# Altium PCB PCB2.PcbDoc
Units mm, origin at the board's own origin, x right, y up, seen from the top; angles counter-clockwise.
Board outline 93.6 x 89.03 mm, 2 copper layers (Top Layer, Bottom Layer); 71 components, 59 nets, 244 pads, 140 vias.
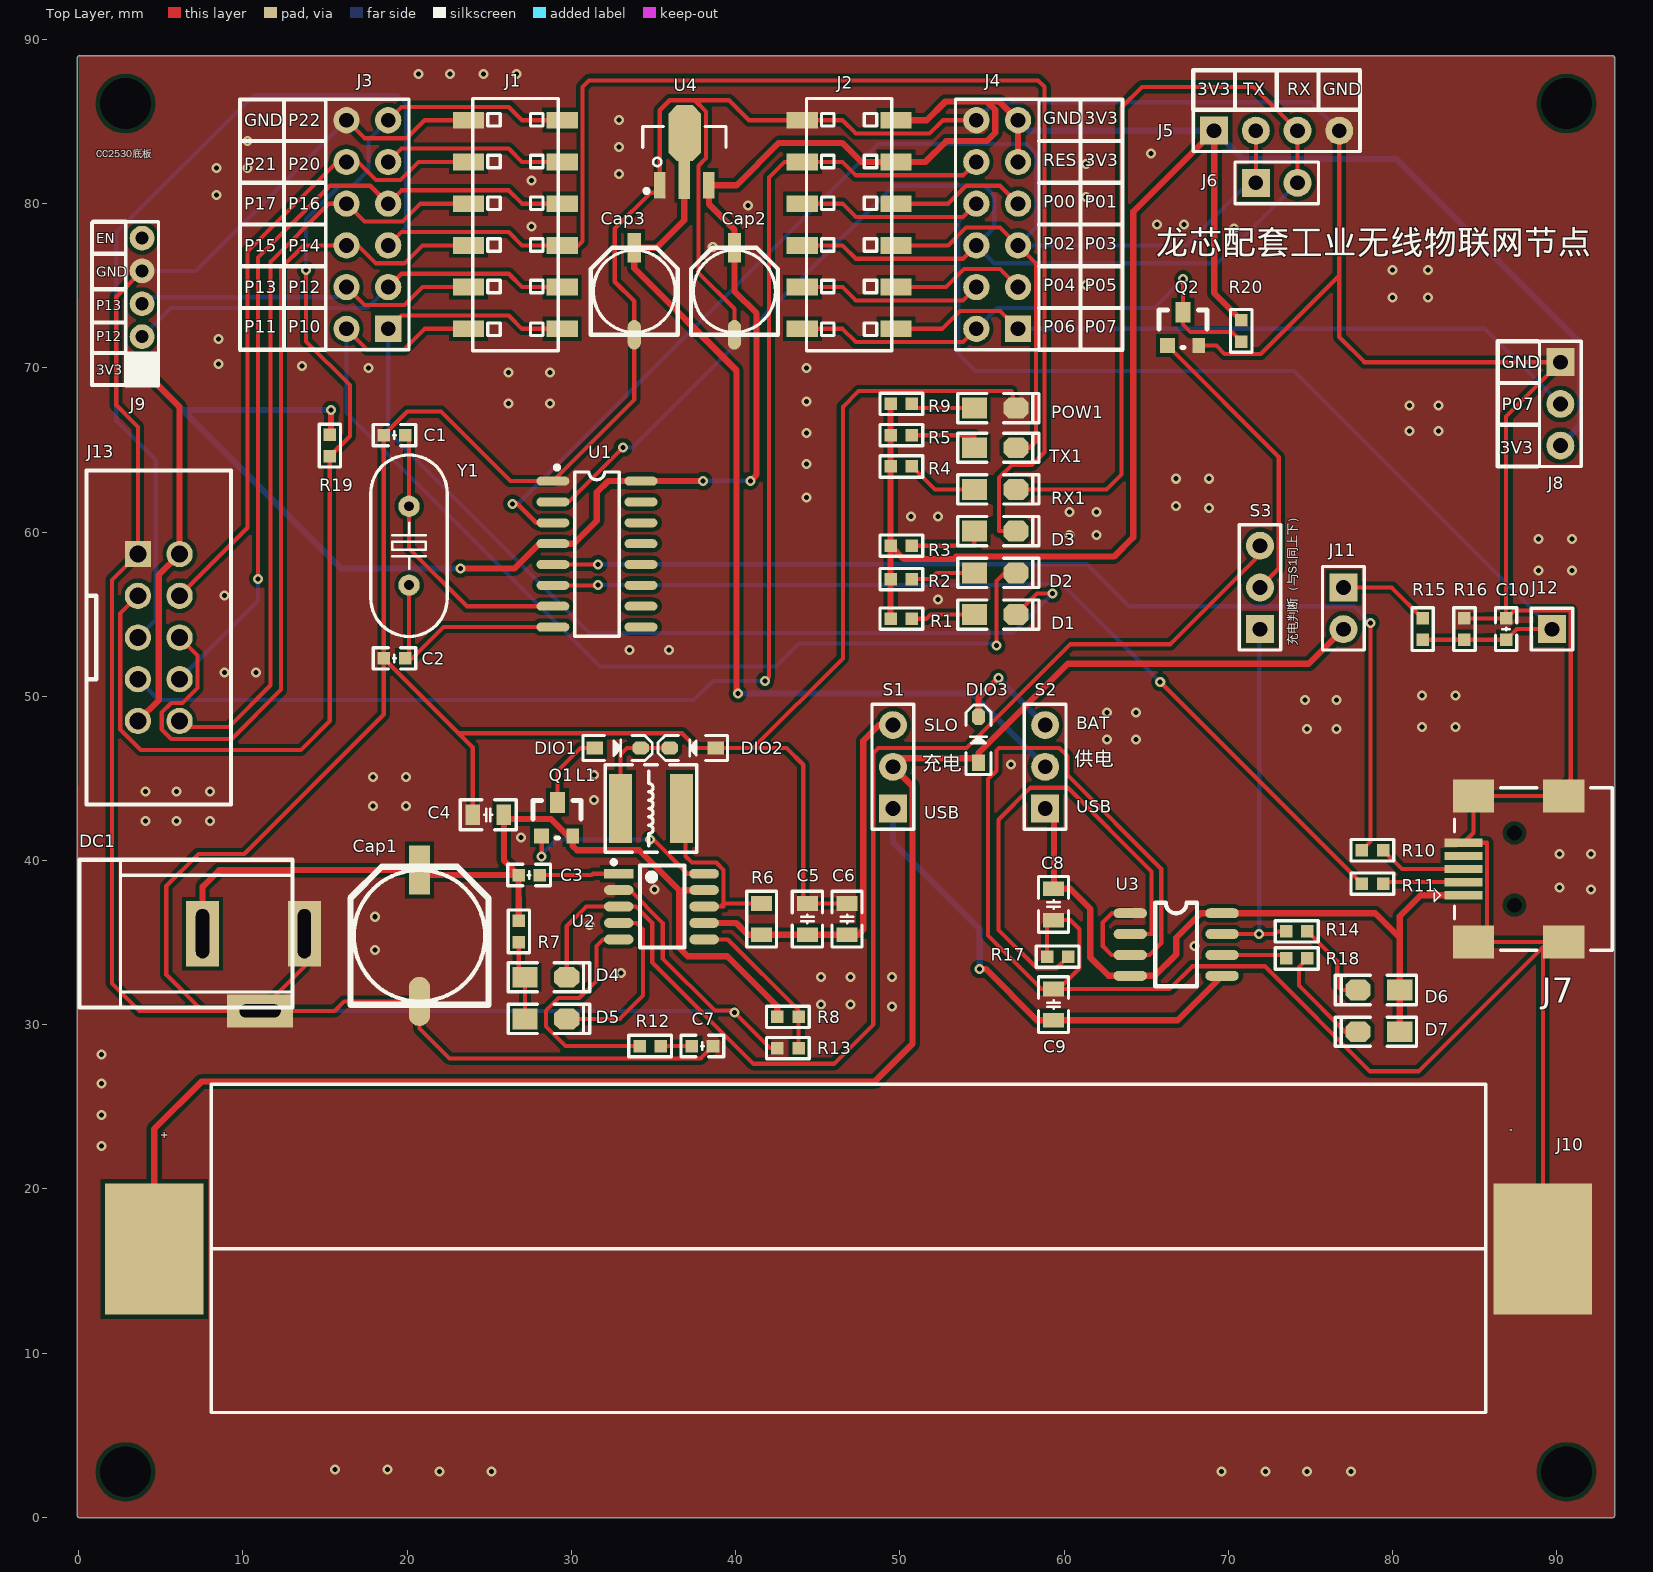
[diagram p0: Top Layer view]
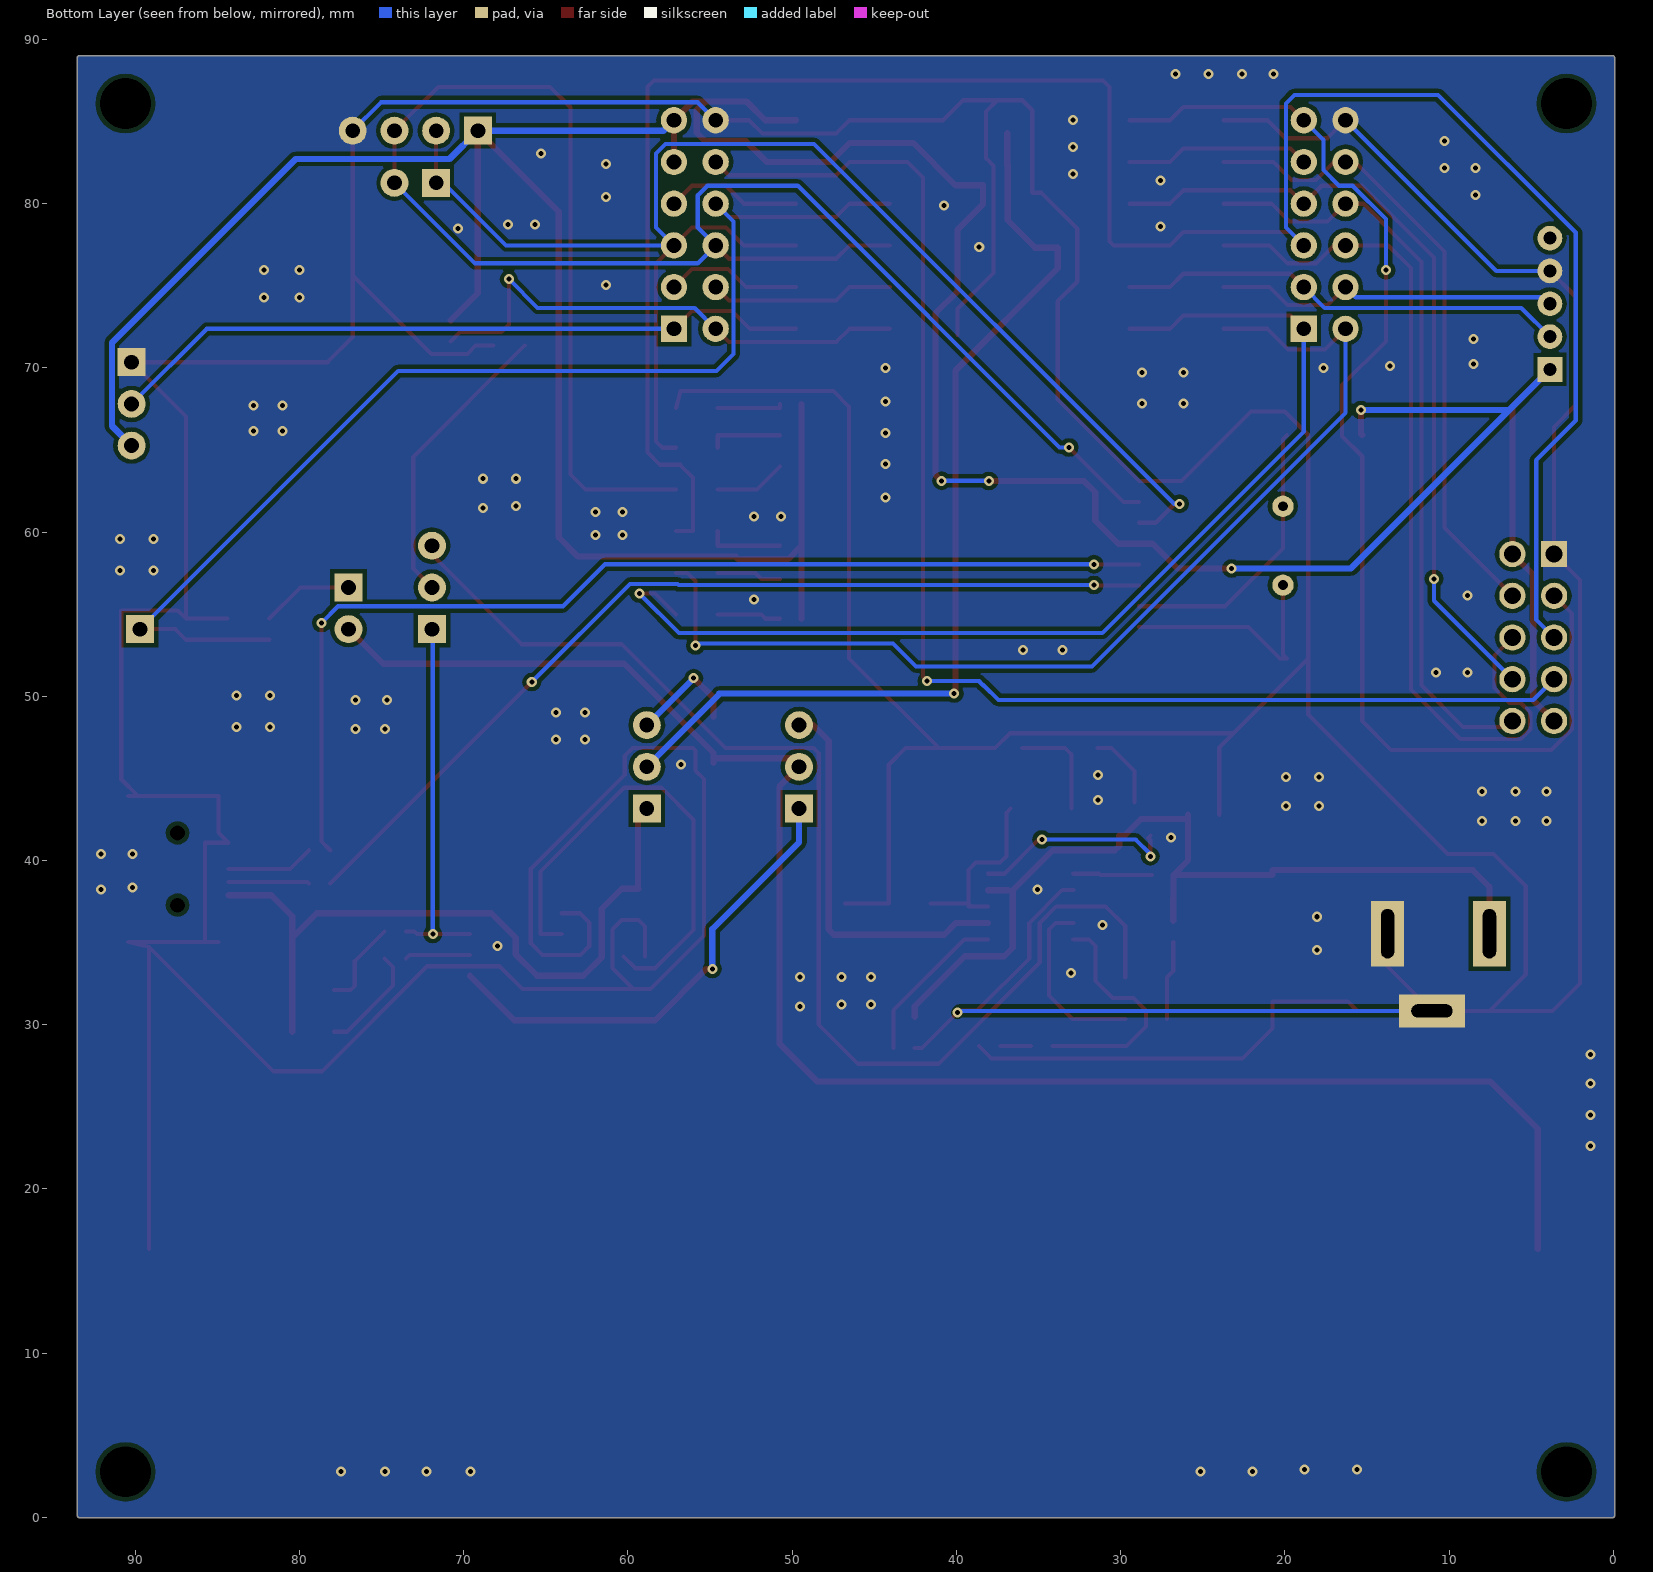
[diagram p1: Bottom Layer view, seen from below]

## Layer stack, top to bottom
Top Solder: solder mask 0.0102, Solder Resist, Dk 3.5
Top Layer: signal copper 0.0356
Dielectric 1: dielectric 0.32, FR-4, Dk 4.8
Bottom Layer: signal copper 0.0356
Bottom Solder: solder mask 0.0102, Solder Resist, Dk 3.5

## Board outline
-0.079,0.112 ccw(c0.049,0.112) 0.049,-0.015 93.394,-0.015 ccw(c93.394,0.112) 93.521,0.112 93.521,88.885 ccw(c93.394,88.885) 93.33,88.996 ccw(c93.267,88.885) 93.267,89.013 0.049,89.013 ccw(c0.049,88.885) -0.079,88.885

## Design rules (kind name [scope] priority, off if disabled: settings)
Clearance [All] p1: gap=0.152 except(0.254: Arc-Poly Track-Poly SMDPad-Poly THPad-Poly Via-Poly Fill-Poly Poly-Poly)
HoleSize [All] p1: absolutevalues=TRUE maxlimit=3.302 minlimit=0.025 maxpercent=80.000 minpercent=20.000
PolygonConnect [All] p1: connectstyle=Direct reliefconductorwidth=0.254 reliefentries=4 polygonreliefangle="90 Angle" airgapwidth=0.254
RoutingVias [All] p1: holewidth=0.305 width=0.61 viastyle="Through Hole" minholewidth=0.025 minwidth=0.305 maxholewidth=0.33 maxwidth=0.686
SilkToSilkClearance [All] p1: silktosilkclearance=0
SilkToSolderMaskClearance [IsPad] p1: minsilkscreentomaskgap=0 clearancetoexposedcopper=TRUE
SolderMaskExpansion [All] p1: expansion=0
Width Width_2 [(InNet('NetL1_2') AND InNet('NetDIO1_1') AND InNet('NetDIO1_2'))] p1: maxlimit=0.457 minlimit=0.254 preferedwidth=0.381
Width Width_1 [(InNet('BAT+') OR InNet('BAT4.2V') OR InNet('ME4.2V') OR InNet('SOLAR4.2V') OR InNet('SOLAR6V') OR InNet('USB4.2V') OR InNet('VBUS') OR InNet('VDD3V3'))] p2: maxlimit=0.457 minlimit=0.254 preferedwidth=0.381
Width [All] p3: maxlimit=0.254 minlimit=0.254 preferedwidth=0.254
27 further rules are at their usual default settings.

## Components (designator, comment, footprint, x,y, rotation, side; value= is the part's Value field where it differs from the comment)
C1 "22pF" "C 0603_L" 19.226,65.898 r180 top
C2 "22pF" "C 0603_L" 19.226,52.309 r180 top
C3 "0.1uF" "C 0603_L" 27.432,39.116 r0 top
C4 "10uF" "C 0805_L" 24.941,42.784 r180 top
C5 "10uF" "C 0805_L" 44.372,36.434 r90 top
C6 "10uF" "C 0805_L" 46.785,36.434 r90 top
C7 "220nF" "C 0603_L" 37.973,28.702 r0 top
C8 "10uF" "C 0805_L" 59.358,37.323 r90 top
C9 "10uF" "C 0805_L" 59.358,31.227 r90 top
C10 "0.1uF" "C 0603_L" 86.917,54.087 r270 top
Cap1 "220uF" "CM E(8*10.2)" 20.75,35.418 r90 top
Cap2 "10uF" "CM C(5*5.4)" 39.927,74.661 r90 top
Cap3 "10uF" "CM C(5*5.4)" 33.831,74.661 r90 top
D1 "" "LED 0805W" 55.802,54.976 r0 top
D2 "" "LED 0805W" 55.802,57.516 r0 top
D3 "" "LED 0805W" 55.802,60.056 r0 top
D4 "" "LED 0805R" 28.448,32.893 r0 top
D5 "" "LED 0805G" 28.448,30.353 r0 top
D6 "" "LED 0805R" 79.17,32.116 r180 top
D7 "" "LED 0805G" 79.17,29.576 r180 top
DC1 "DC" DC-005 7.542,35.545 r180 top
DIO1 "DIODE" SOD-323 32.815,46.848 r0 top
DIO2 "DIODE" SOD-323 37.387,46.848 r180 top
DIO3 "DIODE" SOD-323 54.786,47.356 r90 top
J1 "12排2.54插母" HDR2.54-M-LS-2x6P 26.592,78.725 r90 top locked
J2 "12排2.54插母" HDR2.54-M-LS-2x6P 46.912,78.725 r90 top locked
J3 "12排2.54插针" HDR2.54-LI-2x6P 17.575,78.725 r90 top locked
J4 "12排2.54插针" HDR2.54-LI-2x6P 55.929,78.725 r90 top
J5 "TXRX" HDR2.54-M-LI-4P 72.947,84.44 r0 top
J6 "TXRX" HDR2.54-LI-2P 72.947,81.265 r0 top
J7 "MINI-USB" USB-MINI-A 87.425,39.482 r90 top
J8 "" HDR2.54-M-LI-3P 90.219,67.803 r270 top
J9 "B_LUX30" HDR2.0-M-LI-5P 3.859,73.899 r90 top
J10 "battery" 单节贴片锂电池座 46.404,16.368 r0 top
J11 "ADC_EN" HDR2.54-LI-2P 77.011,55.357 r270 top
J12 "ADC" HDR2.54-LI-1P 89.711,54.087 r0 top
J13 "debug" DC-2.54-L-Z-10P 4.875,53.579 r270 top locked
L1 "10uH" NR5020 34.847,43.165 r0 top
POW1 "" "LED 0805R" 55.802,67.549 r0 top
Q1 "CJ3407" SOT-23 26.973,44.562 r0 top
Q2 "2N7002(NMOS)" SOT-23 65.073,74.407 r0 top
R1 "4.7K" "R 0603-HP_L" 50.087,54.722 r0 top
R2 "4.7K" "R 0603-HP_L" 50.087,57.135 r0 top
R3 "4.7K" "R 0603-HP_L" 50.087,59.167 r0 top
R4 "4.7K" "R 0603-HP_L" 50.087,63.993 r0 top
R5 "4.7K" "R 0603-HP_L" 50.087,65.898 r0 top
R6 "0.25R" "R 0805-HP_L" 41.578,36.434 r90 top
R7 "4.7K" "R 0603-HP_L" 26.797,35.687 r270 top
R8 "75K" "R 0603-HP_L" 43.18,30.48 r0 top
R9 "4.7K" "R 0603-HP_L" 50.087,67.803 r0 top
R10 "27R" "R 0603-HP_L" 78.774,40.625 r0 top
R11 "27R" "R 0603-HP_L" 78.774,38.593 r0 top
R12 "120R" "R 0603-HP_L" 34.798,28.702 r0 top
R13 "10K" "R 0603-HP_L" 43.18,28.575 r180 top
R14 "1K" "R 0603-HP_L" 74.168,35.687 r0 top
R15 "168K" "R 0603-HP_L" 81.837,54.087 r90 top
R16 "56K" "R 0603-HP_L" 84.377,54.087 r270 top
R17 "3.9K" "R 0603-HP_L" 59.612,34.148 r0 top
R18 "1K" "R 0603-HP_L" 74.168,34.036 r0 top
R19 "10K" "R 0603-HP_L" 15.289,65.263 r90 top
R20 "168K" "R 0603-HP_L" 70.788,72.248 r270 top
RX1 "" "LED 0805R" 55.802,62.596 r0 top
S1 "SW-SPDT" HDR2.54-LI-3P 49.579,45.705 r90 top
S2 "SW-SPDT" HDR2.54-LI-3P 58.85,45.705 r90 top
S3 "SW-SPDT" HDR2.54-LI-3P 71.931,56.627 r90 top
TX1 "" "LED 0805R" 55.802,65.136 r0 top
U1 "CH340G" SOP16 31.545,58.659 r0 top
U2 "CN3791" SSOP-10_150mil 35.482,37.196 r0 top
U3 "TP4056" SOP8 64.057,36.815 r0 top
U4 "ME6209" SOT89_M 36.879,83.17 r0 top
Y1 "12M" "OSC HC-49S" 20.115,59.167 r270 top

## Footprints (in the part's own frame and the unit in brackets; to place one, negate y for a bottom-side part, rotate by r counter-clockwise, add the part's x,y. Pads: shape width x height; smd on the part's side, far side on the other; paste and mask are expansions set on the pad)
"C 0603_L" [mil] "无极性贴片电容                                       淘宝ID:黄晶宝石"
  rect 30x30 smd: 1(-25.59,0) 2(25.59,0)
  silkscreen extent -51,-26 51,26, body extent -31,-16 31,16, height 32
"C 0805_L" [mil] "无极性贴片电容                                        淘宝ID:黄晶宝石"
  rect 35x50 smd: 1(-37.4,0) 2(37.4,0)
  silkscreen extent -67,-36 67,36, body extent -39,-24 39,24, height 20
"CM C(5*5.4)" [mm] "贴片电解电容，直径5mm，高5.4mm            淘宝ID:黄晶宝石"
  rect 1.8x0.8 smd: 1(2.65,0)
  oval 1.8x0.8 smd: 2(-2.65,0)
  silkscreen extent -2.65,-2.65 2.65,2.65, body extent -2.95,-2.65 2.95,2.65, height 5.4
"CM E(8*10.2)" [mm] "贴片电解电容，直径8mm，高10.2mm        淘宝ID:黄晶宝石"
  rect 3x1.3 smd: 1(4,0)
  oval 3x1.3 smd: 2(-4,0)
  silkscreen extent -4.2,-4.2 4.2,4.2, body extent -4.5,-4.15 4.5,4.15, height 10.2
DC-2.54-L-Z-10P [mm] "立式直插简牛插座，间距2.54 淘宝ID:黄晶宝石   店铺网址:https://shop463601444.taobao.com"
  rect 1.6x1.6 hole 1.02: 1(-5.08,-1.27)
  round 1.6 hole 1.02: 2(-5.08,1.27) 3(-2.54,-1.27) 4(-2.54,1.27) 5(0,-1.27) 6(0,1.27) 7(2.54,-1.27) 8(2.54,1.27) 9(5.08,-1.27) 10(5.08,1.27)
  silkscreen extent -10.17,-4.4 10.17,4.4, body extent -10.18,-4.4 10.17,4.7, height 8.8
DC-005 [mm] "5.5*2.1mm，DC30V,2.5A      淘宝ID:黄晶宝石"
  rect 2x4 hole 0.8 slot 3 at 90 deg: 1(-6.2,0) 2(0,0)
  rect 4x2 hole 0.8 slot 2.5 at 0 deg: 3(-3.5,4.7)
  silkscreen extent -5.48,-4.5 7.5,4.5, body extent -6.55,-4.5 7.5,4.8, height 11.2
HDR2.0-M-LI-5P [mm] "直插排母，脚距：2.0mm  封装库来自淘宝卖家 ID：黄晶宝石"
  rect 1.5x1.5 hole 0.8: 1(-4,0)
  round 1.5 hole 0.8: 3(-2,0) 5(0,0) 7(2,0) 9(4,0)
  silkscreen extent -5,-1 5,1, body extent -5,-1 5,1, height 5.5
HDR2.54-LI-1P [mm] "封装库来自淘宝卖家 ID：黄晶宝石"
  rect 1.7x1.7 hole 0.9: 1(0,0)
  silkscreen extent -1.27,-1.27 1.27,1.27, body extent -1.27,-1.27 1.27,1.27, height 8.5
HDR2.54-LI-2P [mm] "封装库来自淘宝卖家 ID：黄晶宝石"
  rect 1.7x1.7 hole 0.9: 1(-1.27,0)
  round 1.7 hole 0.9: 2(1.27,0)
  silkscreen extent -2.54,-1.27 2.54,1.27, body extent -2.54,-1.27 2.54,1.27, height 8.5
HDR2.54-LI-2x6P [mm] "双排排针，6x2脚 淘宝ID:黄晶宝石   店铺网址:https://shop463601444.taobao.com"
  rect 1.6x1.6 hole 0.9: 1(-6.35,-1.27)
  round 1.6 hole 0.9: 2(-6.35,1.27) 3(-3.81,-1.27) 4(-3.81,1.27) 5(-1.27,-1.27) 6(-1.27,1.27) 7(1.27,-1.27) 8(1.27,1.27) 9(3.81,-1.27) 10(3.81,1.27) 11(6.35,-1.27) 12(6.35,1.27)
  silkscreen extent -7.62,-2.54 7.62,2.54, body extent -7.62,-2.54 7.62,2.54, height 8.5
HDR2.54-LI-3P [mm] "排针，3脚"
  rect 1.7x1.7 hole 0.9: 1(-2.54,0)
  round 1.7 hole 0.9: 2(0,0) 3(2.54,0)
  silkscreen extent -3.81,-1.27 3.81,1.27, body extent -3.81,-1.27 3.81,1.27, height 8.5
HDR2.54-M-LI-3P [mm] "排母，3脚   淘宝ID:黄晶宝石   店铺网址:https://shop463601444.taobao.com"
  rect 1.7x1.7 hole 0.9: 1(-2.54,0)
  round 1.7 hole 0.9: 2(0,0) 3(2.54,0)
  silkscreen extent -3.81,-1.27 3.81,1.27, body extent -3.81,-1.27 3.81,1.27, height 8.5
HDR2.54-M-LI-4P [mm] "排母，4脚  淘宝ID:黄晶宝石   店铺网址:https://shop463601444.taobao.com"
  rect 1.7x1.7 hole 0.9: 1(-3.81,0)
  round 1.7 hole 0.9: 2(-1.27,0) 3(1.27,0) 4(3.81,0)
  silkscreen extent -5.08,-1.27 5.08,1.27, body extent -5.08,-1.27 5.08,1.27, height 8.5
HDR2.54-M-LS-2x6P [mm] "脚距：2.54mm，贴片双排母"
  rect 1.02x1.9 smd: 1(-6.35,2.85) 2(-6.35,-2.85) 3(-3.81,2.85) 4(-3.81,-2.85) 5(-1.27,2.85) 6(-1.27,-2.85) 7(1.27,2.85) 8(1.27,-2.85) 9(3.81,2.85) 10(3.81,-2.85) 11(6.35,2.85) 12(6.35,-2.85)
  silkscreen extent -7.69,-2.6 7.68,2.6, body extent -7.65,-3.2 7.65,3.2, height 5.15
"LED 0805G" [mil] "绿色0805LED                              淘宝ID:黄晶宝石"
  rect 60x50 smd: 1(-50,0)
  oct 60x50 smd: 2(50,0)
  silkscreen extent -90,-35 105,35, body extent -39,-25 39,25, height 32
"LED 0805R" [mil] "红色0805LED                                       淘宝ID:黄晶宝石"
  rect 60x50 smd: 1(-50,0)
  oct 60x50 smd: 2(50,0)
  silkscreen extent -90,-35 105,35, body extent -39,-25 39,25, height 32
"LED 0805W" [mil] "白色0805LED"
  rect 60x50 smd: 1(-50,0)
  oct 60x50 smd: 2(50,0)
  silkscreen extent -90,-35 105,35, body extent -39,-25 39,25, height 32
NR5020 [mm] "5.0mm*5.0mm*2.0mm(长*宽*高）"
  rect 1.4x4.2 smd: 1(-1.85,0) 2(1.85,0)
  silkscreen extent -2.79,-2.67 2.79,2.67, body extent -2.5,-2.5 2.5,2.5, height 2.1
"OSC HC-49S" [mm] "封装库来自淘宝卖家 ID：黄晶宝石"
  round 1.3 hole 0.6: 1(-2.4,0) 2(2.4,0)
  silkscreen extent -5.52,-2.32 5.52,2.33, body extent -5.52,-2.32 5.53,2.33, height 4.13
"R 0603-HP_L" [mil] "1/10W高精度贴片电阻       淘宝ID:黄晶宝石"
  rect 30x30 smd: 1(-25.59,0) 2(25.59,0)
  silkscreen extent -51,-26 51,26, body extent -31,-16 32,16, height 16
"R 0805-HP_L" [mm] "1/8W高精度贴片电阻                        淘宝ID:黄晶宝石"
  rect 0.889x1.27 smd: 1(-0.95,0) 2(0.95,0)
  silkscreen extent -1.7,-0.91 1.7,0.9, body extent -1,-0.62 1,0.63, height 0.5
SOD-323 [mm] "1.8x1.3X0.9mm（长宽高，不包括引脚）"
  rect 1x0.8 smd: 1(-1.4,0)
  oct 1x0.8 smd: 2(1.4,0)
  silkscreen extent -2.11,-0.76 2.11,0.76, body extent -1.34,-0.63 1.31,0.67, height 1
SOP8 [mil] "封装库来自淘宝卖家 ID：黄晶宝石"
  oval 80x24 smd: 1(-1,-1) 2(-1,-51) 3(-1,-101) 4(-1,-151) 5(219,-151) 6(219,-101) 7(219,-51) 8(219,-1)
  silkscreen extent 59,-176 159,24, body extent -4,-174 234,24, height 63
SOP16 [mm] "封装库来自淘宝卖家 ID：黄晶宝石"
  oval 2x0.55 smd: 1(-2.667,4.445) 2(-2.667,3.175) 3(-2.667,1.905) 4(-2.667,0.635) 5(-2.667,-0.635) 6(-2.667,-1.905) 7(-2.667,-3.175) 8(-2.667,-4.445) 9(2.692,-4.445) 10(2.692,-3.175) 11(2.692,-1.905) 12(2.692,-0.635) 13(2.692,0.635) 14(2.692,1.905) 15(2.692,3.175) 16(2.692,4.445)
  silkscreen extent -2.55,-5 1.37,5.39, body extent -2.92,-4.99 2.98,4.99, height 1.45
SOT89_M [mm] "4.6x4.3x1.6mm(长宽高) 封装库来自淘宝卖家 ID：黄晶宝石"
  rect 0.7x1.6 smd: 1(-1.5,-2.054) 3(1.5,-2.054)
  rect 0.7x2.4 smd: 2(0,-1.676)
  oct 2x3.4 smd: 2(0.025,1.118)
  silkscreen extent -2.54,-2.52 2.54,1.52, body extent -2.3,-2.4 2.3,1.9, height 1.6
SOT-23 [mil] "封装库来自淘宝卖家 ID：黄晶宝石"
  rect 36x36 smd: 1(47.76,-120.28)
  rect 30x36 smd: 2(122.76,-120.28)
  rect 36x50 smd: 3(85.76,-40.28)
  silkscreen extent 28,-125 143,-35
SSOP-10_150mil [mm]
  rect 1.8x0.6 smd: 1(-2.6,2)
  oval 1.8x0.6 smd: 2(-2.6,1) 3(-2.6,0) 4(-2.6,-1) 5(-2.6,-2) 6(2.6,-2) 7(2.6,-1) 8(2.6,0) 9(2.6,1) 10(2.6,2)
  silkscreen extent -3.02,-2.5 1.4,2.82, body extent -3,-2.45 3,2.45, height 1.55
USB-MINI-A [mm] "MINI型USB，7.9*7.5*4.1mm  淘宝ID:黄晶宝石   店铺网址:https://shop463601444.taobao.com"
  rect 0.5x2.3 smd: 1(-1.6,3.108) 2(-0.8,3.108) 3(0,3.108) 4(0.8,3.108) 5(1.6,3.108)
  rect 2x2.5 smd: 5(-4.45,-3) 5(-4.45,2.5) 5(4.45,-3) 5(4.45,2.5)
  round 0.6 hole 0.9 unplated: MH1(2.2,0) MH2(-2.2,0)
  silkscreen extent -4.95,-5.95 4.95,4.89, body extent -4.75,-6 4.75,3.7, height 3.95
单节贴片锂电池座 [mm] "单节18650贴片锂电池座"
  rect 6x8 smd: 1(-41.808,-0.025) 2(42.748,-0.025)
  silkscreen extent -38.33,-9.98 39.27,10.01, body extent -43.03,-10.44 42.98,10.21, height 18.25

## Part data
C1 C2 C3 C7 C10: library part CAP, "Capacitor"
C4 C5 C6 C8 C9: library part Cap, "无极性电容"
Cap1 Cap2 Cap3: library part "CAPACITOR POL", "Capacitor"
D1 D2 D3 D4 D5 D6 D7 POW1 RX1 TX1: library part LED
DC1: library part PWR2.5, "Low Voltage Power Supply Connector"
DIO1 DIO2 DIO3: "1N5817"
J1 J2 J3 J4: library part CON12
J5 J6 J7 J9 J10 J11 J12 U2 U4: library part Component_1
J8: library part CON3, "Connector"
J13: library part CON10, "Connector"
L1: library part L, "NR5020"
Q1: library part AOD413A
Q2: library part AOD413A, "2N7002"
R1 R2 R3 R4 R5 R9 R19: library part R
R6 R7 R8 R12 R13 R14 R15 R16 R17 R18 R20: library part Res1, "贴片电阻"
R10 R11: library part RES2
S1 S2 S3: "开关"
U1: "CH340"
U3: "锂电池充电管理"
Y1: library part CRYSTAL, "32K"

## Free pads (board coordinates)
  round 1.524 hole 3.1: 1(2.843,2.779) 2(90.6,2.779) 3(2.843,86.091) 4(90.6,86.091)

## Via types
v1: diameter 0.61, hole 0.305, Top Layer to Bottom Layer, 140 vias

## Nets (pads, with @x,y where several pads share a name; then routed paths per layer and width w, separated by ;. In a path a pad name is that pad's centre, name@x,y a point inside that pad or via, vN(x,y) a via of type N, cw(c..) or ccw(c..) an arc to the next point about the centre after c; other vN are vias at no path point)
BAT4.2V: DIO3.2 S2.3 | length 6.9
  Top Layer w0.381: DIO3.2 54.786,49.896 v1(55.992,51.103)
  Bottom Layer w0.381: v1(55.992,51.103) S2.3
BAT+: DIO3.1 J10.1 J11.2 S1.2 | length 104.6
  Top Layer w0.381: J10.1 4.595,23.658 7.48,26.543 48.476,26.543 50.773,28.84 50.773,44.512 S1.2 50.101,46.228 54.786,46.228 DIO3.1 54.786,46.531 60.234,51.979 74.903,51.979 J11.2
CHAR1: D4.2 S3.3 U2.3 | length 74.3
  Top Layer w0.254: D4.2 29.718,36.005 30.91,37.196 U2.3 33.924,37.196 34.925,36.195 34.925,33.782 41.086,27.621 45.997,27.621 48.385,30.008 48.385,46.544 48.69,46.848 54.068,46.848 60.393,53.173 66.47,53.173 71.931,58.634 S3.3
CHAR2: R14.1 S3.1 U3.7 | length 22.6
  Top Layer w0.254: U3.7 v1(71.882,35.52) 72.845,35.52 73.012,35.687 R14.1
  Bottom Layer w0.254: v1(71.882,35.52) 71.882,54.039 S3.1
D+: R10.1 U1.5 | length 65.3
  Top Layer w0.254: U1.5 31.608,58.024 v1(31.623,58.039) ; R10.1 78.662,41.163 v1(78.662,54.468)
  Bottom Layer w0.254: v1(31.623,58.039) 61.401,58.039 63.955,55.484 77.646,55.484 v1(78.662,54.468)
D-: R11.1 U1.6 | length 56.8
  Top Layer w0.254: U1.6 29.894,56.754 31.608,56.754 v1(31.623,56.769) ; v1(65.856,50.862) R11.1
  Bottom Layer w0.254: v1(31.623,56.769) 56.9,56.769 56.976,56.845 59.872,56.845 v1(65.856,50.862)
GND: C1.2 C2.2 C4.2 C5.2 C6.2 C7.2 C8.1 C9.2 C10.1 Cap1.2 Cap2.2 Cap3.2 DC1.1 DC1.3 DIO2.1 J1.11 J2.11 J3.12 J4.12 J5.4 J7.5 J8.1 J9.7 J10.2 J13.1 POW1.2 Q2.2 R13.2 R16.1 R17.1 U1.1 U2.2 U3.1 U3.3 U4.1 | length 582.6
  Top Layer w0.254: J9.7 2.286,74.327 2.286,67.725 3.605,66.406 J13.1 2.032,57.087 2.032,32.52 3.706,30.845 7.542,30.845 ; DC1.1 13.742,33.545 DC1.3 ; J3.12 17.397,83.983 19.975,83.983 21.067,85.075 J1.11 ; C4.2 23.991,46.895 23.133,47.752 ; U2.2 33.559,38.196 35.56,36.195 35.56,34.036 38.735,30.861 39.806,30.861 42.092,28.575 R13.2 ; 37.514,86.295 38.2,85.609 38.2,82.764 37.742,82.307 37.742,75.779 39.927,73.595 Cap2.2 ; C7.2 37.872,27.951 22.579,27.951 20.75,29.78 Cap1.2 16.167,31.418 15.594,30.845 DC1.3 ; C6.2 C5.2 44.118,37.384 44.118,45.832 43.102,46.848 41.07,46.848 ; J4.12 52.627,85.075 51.814,84.263 47.318,84.263 46.505,85.075 J2.11 40.816,85.075 39.597,86.295 35.99,86.295 35.379,85.684 U4.1 35.379,80.656 34.821,80.656 32.639,78.473 32.639,75.244 33.831,74.052 Cap3.2 33.831,68.072 33.845,68.072 U1.1 26.287,63.104 22.06,67.331 20.009,67.331 C1.2 C2.2 ; POW1.2 56.785,68.58 47.485,68.58 46.531,67.626 46.531,52.309 41.07,46.848 ; R17.1 58.962,35.977 C8.1 60.374,36.373 60.933,35.815 60.933,33.437 59.673,32.177 C9.2 ; U3.1 62.914,36.79 62.355,36.231 62.355,34.783 62.888,34.25 U3.3 65.2,34.25 65.913,34.963 65.913,39.497 60.198,45.212 60.198,46.355 59.705,46.848 56.03,46.848 55.88,46.698 55.88,45.466 55.372,44.958 55.372,35.433 58.628,32.177 C9.2 ; Q2.2 69.278,71.352 69.779,70.851 71.974,70.851 76.757,75.634 ; J5.4 76.757,75.634 ; R16.1 85.621,54.737 C10.1 ; J7.5@84.925,35.033 J7.5@85.748,35.033 ; J10.2 89.152,34.733 ; J7.5@90.425,43.933 J7.5@89.838,43.933 ; 7.542,30.845 DC1.3 ; 7.542,30.845 5.334,33.053 5.334,38.443 7.288,40.397 10.082,40.397 18.576,48.891 C2.2 ; C2.2 23.133,47.752 ; 23.133,47.752 36.737,47.752 37.641,46.848 DIO2.1 41.07,46.848 ; C9.2 66.429,32.177 67.816,33.564 72.227,33.564 78.628,27.163 81.583,27.163 89.152,34.733 ; 76.757,75.634 76.757,71.867 78.281,70.343 J8.1 86.917,67.041 C10.1 ; J7.5@85.748,35.033 90.425,35.033 89.152,34.733 ; J7.5@85.748,35.033 85.748,41.082 84.317,41.082 84.925,41.691 84.925,43.933 J7.5@89.838,43.933 ; C10.1 87.41,55.23 90.854,55.23 90.854,44.949 J7.5@89.838,43.933
  Bottom Layer w0.254: J9.7 7.129,75.899 J3.12 ; DC1.3 v1@39.806,30.845 ; v1@39.822,30.845 v1(39.933,30.734) ; J4.12 55.751,86.168 75.03,86.168 J5.4
  other v1: 21.971,2.794 25.146,2.794 69.596,2.794 72.263,2.794 74.803,2.794 77.47,2.794 15.621,2.921 18.796,2.921 1.397,22.606 1.397,24.511 1.397,26.416 1.397,28.194 49.53,31.115 45.212,31.242 46.99,31.242 45.212,32.893 46.99,32.893 49.53,32.893 33.02,33.147 18.034,34.544 67.945,34.798 31.115,36.068 18.034,36.576 35.052,38.227 92.075,38.227 90.17,38.354 90.17,40.386 92.075,40.386 26.924,41.402 4.064,42.418 5.969,42.418 8.001,42.418 17.907,43.307 19.939,43.307 31.369,43.688 4.064,44.196 5.969,44.196 8.001,44.196 17.907,45.085 19.939,45.085 31.369,45.212 56.769,45.847 62.611,47.371 64.389,47.371 74.803,48.006 76.581,48.006 81.788,48.133 83.82,48.133 62.611,49.022 64.389,49.022 74.676,49.784 76.581,49.784 81.788,50.038 83.82,50.038 8.89,51.435 10.795,51.435 33.528,52.832 35.941,52.832 52.324,55.88 8.89,56.134 88.9,57.658 90.932,57.658 88.9,59.563 90.932,59.563 60.325,59.817 61.976,59.817 50.673,60.96 52.324,60.96 60.325,61.214 61.976,61.214 68.834,61.468 66.802,61.595 44.323,62.103 66.802,63.246 68.834,63.246 44.323,64.135 44.323,66.04 81.026,66.167 82.804,66.167 81.026,67.691 82.804,67.691 26.162,67.818 28.702,67.818 44.323,67.945 26.162,69.723 28.702,69.723 17.653,69.977 44.323,69.977 13.589,70.104 8.509,70.231 8.509,71.755 80.01,74.295 82.169,74.295 61.341,75.057 80.01,75.946 82.169,75.946 38.608,77.343 70.358,78.486 27.559,78.613 65.659,78.74 67.31,78.74 40.767,79.883 61.341,80.391 8.382,80.518 27.559,81.407 32.893,81.788 8.382,82.169 10.287,82.169 61.341,82.423 65.278,83.058 32.893,83.439 10.287,83.82 32.893,85.09 20.701,87.884 22.606,87.884 24.638,87.884 26.67,87.884
ME4.2V: Cap3.1 S2.2 U4.2 | length 59.4
  Top Layer w0.381: U4.2@36.904,84.288 36.904,82.358 36.879,82.332 36.879,81.494 36.879,78.979 35.211,77.311 Cap3.1 33.831,76.058 40.054,69.835 40.054,50.243 v1(40.132,50.165)
  Bottom Layer w0.381: v1(40.132,50.165) 54.437,50.165 54.437,50.119 S2.2
NetC1_1: C1.1 U1.7 Y1.1 | length 17.2
  Top Layer w0.254: C1.1 20.115,65.66 Y1.1 20.115,59.006 23.637,55.484 U1.7
NetC2_1: C2.1 U1.8 Y1.2 | length 14.3
  Top Layer w0.254: Y1.2 20.115,52.548 C2.1 20.306,52.31 22.21,54.214 U1.8
NetC3_2: C3.2 U2.1 | length 4.8
  Top Layer w0.254: C3.2 31.236,39.116 31.316,39.196 U2.1
NetC7_1: C7.1 R12.2 | length 1.9
  Top Layer w0.254: R12.2 36.574,28.702 C7.1
NetD1_1: D1.1 R1.2 | length 3.9
  Top Layer w0.254: R1.2 51.611,54.722 51.865,54.976 D1.1
NetD2_1: D2.1 R2.2 | length 4
  Top Layer w0.254: R2.2 51.865,57.135 52.246,57.516 D2.1
NetD3_1: D3.1 R3.2 | length 4.7
  Top Layer w0.254: R3.2 54.532,59.167 D3.1
NetD4_1: D4.1 D5.1 R7.2 | length 4.8
  Top Layer w0.254: R7.2 26.797,34.352 26.797,33.274 D4.1 27.176,32.893 27.176,30.353 D5.1
NetD5_2: D5.2 U2.4 | length 10.9
  Top Layer w0.254: D5.2 32.942,30.353 34.364,31.775 34.364,35.799 33.967,36.196 U2.4
NetD6_2: D6.2 R14.2 | length 5.4
  Top Layer w0.254: R14.2 76.63,33.875 76.63,32.37 76.884,32.116 D6.2
NetD7_2: D7.2 R18.2 | length 6.6
  Top Layer w0.254: R18.2 74.295,33.513 74.295,32.385 77.104,29.576 D7.2
NetDIO1_1: DIO1.1 Q1.3 | length 4.8
  Top Layer w0.254: Q1.3 29.151,45.451 30.548,46.848 DIO1.1
NetDIO1_2: DIO1.2 DIO2.2 L1.1 | length 6.4
  Top Layer w0.254: L1.1 32.997,46.467 33.378,46.848 DIO1.2 DIO2.2
NetJ7_2: J7.2 R11.2 | length 4.9
  Top Layer w0.254: R11.2 79.513,38.683 J7.2
NetJ7_3: J7.3 R10.2 | length 5.4
  Top Layer w0.254: R10.2 80.567,39.482 J7.3
NetJ11_1: J11.1 R15.2 | length 5.6
  Top Layer w0.254: J11.1 79.947,56.627 R15.2
NetL1_2: L1.2 R6.2 U2.8 | length 11.7
  Top Layer w0.254: L1.2 36.957,42.905 36.957,40.259 37.338,39.878 38.82,39.878 39.266,39.431 39.266,37.384 ; U2.8 39.078,37.196 ; R6.2 39.266,37.384 ; 39.078,37.196 39.266,37.384 ; 39.078,37.196 39.266,37.196 39.266,37.384
NetPOW1_1: POW1.1 R9.2 | length 4
  Top Layer w0.254: R9.2 50.737,67.549 POW1.1
NetQ1_1: Q1.1 U2.10 | length 12.6
  Top Layer w0.254: Q1.1 28.321,41.372 28.194,41.245 v1(28.194,40.259) ; v1(34.798,41.275) 35.003,41.275 37.082,39.196 U2.10
  Bottom Layer w0.254: v1(28.194,40.259) 28.194,40.386 29.083,41.275 v1(34.798,41.275)
NetQ2_1: Q2.1 S3.2 | length 18
  Top Layer w0.254: Q2.1 73.074,64.564 73.074,57.77 S3.2
NetR4_2: R4.2 RX1.1 | length 4.4
  Top Layer w0.254: R4.2 52.134,62.596 RX1.1
NetR5_2: R5.2 TX1.1 | length 4.6
  Top Layer w0.254: R5.2 54.532,65.898 TX1.1
NetR8_2: R8.2 R13.1 U2.6 | length 9.9
  Top Layer w0.254: U2.6 39.52,35.196 43.83,30.887 R8.2 43.838,30.472 43.838,28.583 R13.1
NetR12_1: R12.1 U2.5 | length 14.6
  Top Layer w0.254: U2.5 31.926,35.196 31.519,34.79 31.519,32.662 30.48,31.623 29.21,31.623 28.448,30.861 28.448,29.905 29.651,28.702 R12.1
NetR17_2: R17.2 U3.2 | length 29.6
  Top Layer w0.254: R17.2 59.551,33.437 58.342,33.437 56.007,35.772 56.007,42.482 57.961,44.435 60.221,44.435 65.327,39.33 65.327,35.52 U3.2
NetR18_1: R18.1 U3.6 | length 4
  Top Layer w0.254: U3.6 73.304,34.25 R18.1
P0_0: C10.2 J2.7 J4.8 J12.1 R15.1 R16.2 | length 72.1
  Top Layer w0.254: J2.7 46.505,79.995 47.318,79.183 53.846,79.183 J4.8 ; R15.1 R16.2 85.621,53.437 C10.2 87.567,54.087 J12.1
  Bottom Layer w0.254: J4.8 53.567,78.903 53.567,70.851 54.608,69.81 73.988,69.81 J12.1
P0_1/BTN1: J2.8 J4.7 | length 8.3
  Top Layer w0.254: J2.8 52.944,79.995 54.037,81.088 56.107,81.088 J4.7
P0_2/RX: J2.5 J4.6 J5.3 J6.2 RX1.2 U1.2 | length 116.6
  Top Layer w0.254: U1.2 29.83,61.834 v1(33.147,65.151) ; J2.5 46.505,77.455 47.318,76.643 53.846,76.643 J4.6 ; RX1.2 62.584,62.596 63.5,63.513 63.5,85.865 64.743,87.107 71.55,87.107 J5.3 J6.2
  Bottom Layer w0.254: v1(33.147,65.151) 33.718,65.151 49.655,81.088 55.167,81.088 55.751,80.503 55.751,78.548 J4.6 55.751,76.363 69.315,76.363 J6.2
P0_3/TX: J2.6 J4.5 J5.2 J6.1 TX1.2 U1.3 | length 91.5
  Top Layer w0.254: v1(26.416,61.722) 26.704,61.722 27.862,60.564 U1.3 ; J2.6 52.944,77.455 54.037,78.548 56.107,78.548 J4.5 58.291,76.363 58.291,65.517 57.91,65.136 TX1.2 ; J6.1 J5.2
  Bottom Layer w0.254: v1(26.416,61.722) 26.759,61.722 48.664,83.628 57.707,83.628 58.291,83.043 58.291,78.548 J4.5 67.422,77.455 71.232,81.265 J6.1
P0_4/BTN2: J2.3 J4.4 | length 11.3
  Top Layer w0.254: J2.3 46.505,74.915 47.318,74.103 53.846,74.103 J4.4
P0_5/BUT3: J2.4 J4.3 | length 8.3
  Top Layer w0.254: J2.4 52.817,74.915 53.91,76.008 56.107,76.008 J4.3
P0_6: J2.1 J4.2 Q2.3 R20.2 | length 31.8
  Top Layer w0.254: J2.1 46.505,72.375 47.318,71.563 53.846,71.563 J4.2 ; v1(67.251,75.398) Q2.3 67.251,72.629 67.708,72.172 70.214,72.172 R20.2
  Bottom Layer w0.254: J4.2 55.929,73.645 65.498,73.645 v1(67.251,75.398)
P0_7: J2.2 J4.1 J8.2 | length 43.3
  Top Layer w0.254: J2.2 52.563,72.375 53.656,73.468 56.107,73.468 J4.1
  Bottom Layer w0.254: J4.1 85.647,72.375 J8.2
P1_0: D1.2 J1.2 J3.1 | length 66.8
  Top Layer w0.254: J3.1 19.658,73.188 26.185,73.188 26.998,72.375 J1.2 ; D1.2 58.356,56.261 v1(59.309,56.261)
  Bottom Layer w0.254: J3.1 18.845,66.118 31.115,53.848 56.896,53.848 v1(59.309,56.261)
P1_1: D2.2 J1.1 J3.2 | length 65.5
  Top Layer w0.254: J3.2 17.56,71.12 19.812,71.12 21.067,72.375 J1.1 ; v1(55.88,53.086) 55.88,57.023 56.373,57.516 D2.2
  Bottom Layer w0.254: J3.2 16.305,67.261 31.75,51.816 42.466,51.816 43.863,53.213 55.753,53.213 v1(55.88,53.086)
P1_2: J1.4 J3.3 J9.3 | length 27.5
  Top Layer w0.254: J3.3 19.658,75.728 26.185,75.728 26.998,74.915 J1.4
  Bottom Layer w0.254: J9.3 5.605,73.645 17.575,73.645 J3.3
P1_3: J1.3 J3.4 J9.5 | length 21.2
  Top Layer w0.254: J3.4 17.397,73.823 19.848,73.823 20.94,74.915 J1.3
  Bottom Layer w0.254: J9.5 4.254,74.295 15.684,74.295 J3.4
P1_4/CSN: D3.2 J1.6 J3.5 J13.5 | length 136.9
  Top Layer w0.254: J3.5 19.658,78.268 26.185,78.268 26.998,77.455 J1.6 30.427,77.455 30.681,77.709 30.681,87.107 31.077,87.503 58.411,87.503 58.801,87.113 58.801,64.859 58.037,64.095 56.818,64.095 56.03,63.308 56.03,60.056 D3.2
  Bottom Layer w0.254: J13.5 4.697,54.672 4.697,64.374 2.286,66.785 2.286,78.232 10.668,86.614 19.414,86.614 19.937,86.091 19.937,78.548 J3.5
P1_5/SCLK: J1.5 J3.6 J13.6 | length 54.7
  Top Layer w0.254: J13.6 7.237,52.487 7.237,50.506 6.323,49.592 5.637,49.592 5.053,49.007 5.053,47.991 5.637,47.407 9.32,47.407 12.319,50.406 12.319,76.073 13.701,77.455 J3.6 17.016,77.455 18.108,76.363 19.848,76.363 20.94,77.455 J1.5
P1_6/MOSI: J1.8 J3.7 J13.8 | length 49.1
  Top Layer w0.254: v1(10.922,57.15) 10.922,76.708 15.302,81.088 17.753,81.088 J3.7 19.658,80.808 26.185,80.808 26.998,79.995 J1.8
  Bottom Layer w0.254: J13.8 10.922,55.817 v1(10.922,57.15)
P1_7/MISO: J1.7 J3.8 J13.10 | length 47
  Top Layer w0.254: J13.10 6.511,48.133 9.144,48.133 11.684,50.673 11.684,76.454 15.225,79.995 J3.8 17.397,78.903 19.721,78.903 20.813,79.995 J1.7
P2_0/BTN2: J1.10 J3.9 | length 11.3
  Top Layer w0.254: J3.9 19.658,83.348 26.185,83.348 26.998,82.535 J1.10
P2_1/DD: J1.9 J3.10 J13.4 | length 39.3
  Top Layer w0.254: J13.4 10.287,60.262 10.287,77.089 15.733,82.535 J3.10 17.016,82.535 18.108,81.443 19.594,81.443 20.686,82.535 J1.9
P2_2/DC: J1.12 J3.11 J13.3 R19.1 | length 74.6
  Top Layer w0.254: J13.3 2.525,55.04 2.525,47.991 3.781,46.736 13.525,46.736 15.289,48.499 R19.1 16.51,65.835 16.51,68.944 13.843,71.611 v1(13.843,75.946) ; J3.11 19.658,85.888 26.185,85.888 26.998,85.075 J1.12
  Bottom Layer w0.254: v1(13.843,75.946) 13.843,79.06 15.87,81.088 16.699,81.088 17.653,82.042 17.653,83.884 J3.11
RESET: J2.9 J4.10 J13.7 | length 83.7
  Top Layer w0.254: v1(41.783,50.927) 42.037,51.181 42.037,81.598 42.975,82.535 J2.9 46.505,82.535 47.318,81.723 53.846,81.723 J4.10
  Bottom Layer w0.254: J13.7 4.875,49.769 37.438,49.769 38.341,50.673 38.38,50.673 38.621,50.914 38.608,50.927 v1(41.783,50.927)
SOLAR4.2V: C5.1 C6.1 R6.1 S1.3 U2.7 | length 23.8
  Top Layer w0.381: U2.7 40.028,36.196 40.74,35.484 R6.1 41.959,35.484 41.974,35.469 41.989,35.484 C5.1 C6.1 47.46,35.484 47.775,35.799 47.775,47.294 48.727,48.245 S1.3
SOLAR6V: C3.1 C4.1 Cap1.1 DC1.2 Q1.2 R7.1 R8.1 U2.9 | length 55.3
  Top Layer w0.381: DC1.2 7.542,38.402 8.558,39.418 Cap1.1 20.75,39.116 C3.1 ; C4.1 C4.1@25.891,42.53 ; R7.1 26.797,37.728 26.782,37.743 C3.1 ; 36.828,38.196 U2.9 ; R8.1 42.53,31.13 39.497,34.163 37.084,34.163 36.565,34.682 36.565,38.196 34.136,40.625 30.345,40.625 30.091,40.879 Q1.2 29.767,41.507 28.744,42.53 C4.1@25.891,42.53 ; C4.1@25.891,42.53 25.891,40.007 C3.1
USB4.2V: C9.1 S1.1 U3.5 | length 29.1
  Top Layer w0.381: v1(54.864,33.401) 55.218,33.401 58.342,30.277 C9.1 66.917,30.277 U3.5
  Bottom Layer w0.381: S1.1 49.579,41.108 54.864,35.823 v1(54.864,33.401)
VBUS: C8.2 D6.1 D7.1 J7.1 S2.1 U3.4 U3.8 | length 44.4
  Top Layer w0.381: S2.1 59.383,42.632 C8.2@59.383,38.273 ; C8.2 C8.2@59.383,38.273 ; D7.1 D6.1 80.44,35.291 ; J7.1 81.71,37.883 80.44,36.613 80.44,35.291 ; C8.2@59.383,38.273 60.374,38.273 61.595,37.052 61.595,34.096 62.711,32.98 U3.4 65.53,32.98 66.825,34.275 66.825,35.291 68.324,36.79 U3.8 78.941,36.79 80.44,35.291
VDD3V3: Cap2.1 J2.10 J2.12 J4.9 J4.11 J5.1 J8.3 J9.1 J13.2 J13.9 R1.1 R2.1 R3.1 R4.1 R5.1 R9.1 R19.2 R20.1 U1.4 U1.16 U4.3 | length 245.7
  Top Layer w0.381: J13.9 4.875,49.769 4.875,57.389 J13.2 6.145,67.613 J9.1 ; R19.2 15.367,65.992 v1(15.367,67.437) ; v1(23.241,57.785) 26.543,57.785 28.052,59.294 U1.4 30.148,59.294 31.545,60.691 31.545,62.419 32.231,63.104 U1.16 v1(38.022,63.104) ; v1(40.894,63.119) 41.275,63.5 41.275,73.313 39.927,74.661 Cap2.1 39.927,78.421 38.379,79.969 U4.3 40.057,81.116 42.634,83.693 46.482,83.693 47.64,82.535 J2.10 51.56,82.535 52.83,83.805 55.294,83.805 55.802,84.313 55.802,85.71 55.294,86.218 ; R1.1 R2.1 R3.1 ; R9.1 R5.1 R4.1 R3.1 ; J2.12 51.636,85.075 52.779,86.218 55.294,86.218 ; J4.9 J4.11 56.056,86.218 55.294,86.218 ; R20.1 69.137,74.549 J5.1 64.209,79.513 64.209,59.675 63.041,58.507 53.44,58.507 53.287,58.355 50.25,58.355 R3.1
  Bottom Layer w0.254: v1@38.036,63.119 v1(40.894,63.119)
  Bottom Layer w0.381: J9.1 15.973,57.785 v1(23.241,57.785) ; 6.321,67.437 v1(15.367,67.437) ; J4.11 57.834,84.44 J5.1 70.864,82.713 80.237,82.713 91.413,71.537 91.413,66.457 J8.3
pads on no net: J7.4 J7.MH1 J7.MH2 J9.9 U1.9 U1.10 U1.11 U1.12 U1.13 U1.14 U1.15

## Polygon pours and split planes (outlines as drawn)
GND on Top Layer "Mechanical 1-No Net" (solid, remove dead copper, pour order 10): 0.049,89.023 0.075,88.997 93.331,88.997
GND on Top Layer "Mechanical 1-No Net" (solid, remove dead copper, pour order 12): 0.049,89.023 93.394,89.023 93.491,88.926 93.491,0.015 -0.02,0.015 -0.069,0.064
GND on Bottom Layer "Mechanical 1-No Net" (solid, remove dead copper, pour order 14): -0.079,88.885 0.019,88.983 93.491,88.983 93.491,0.015 -0.049,0.015

## Silkscreen, mask and mechanical layers (free items; w line width, h text height)
Top Overlay:
  lines w0.254: 0.811,72.756 2.716,72.756 ; 0.811,74.788 2.859,74.788 ; 0.811,76.947 2.843,76.947 ; 0.986,70.899 2.859,70.899 ; 2.812,68.946 0.811,68.946 0.811,78.819 0.891,78.899 2.859,78.899 ; 9.828,73.645 15.035,73.645 ; 9.828,76.185 15.035,76.185 ; 9.828,78.725 15.035,78.725 ; 9.828,81.265 15.035,81.265 ; 9.828,83.805 15.035,83.805 ; 12.495,71.169 12.495,86.345 ; 15.035,71.105 9.828,71.105 9.828,86.345 15.035,86.345 ; 58.469,71.105 63.549,71.105 63.549,86.345 58.469,86.345 ; 58.469,73.645 63.549,73.645 ; 58.469,76.185 63.549,76.185 ; 58.469,78.725 63.549,78.725 ; 58.469,81.265 63.549,81.265 ; 58.469,83.805 63.549,83.805 ; 61.009,71.105 61.009,86.345 ; 70.407,85.71 70.407,88.123 ; 72.947,85.71 72.947,88.123 ; 75.487,85.71 75.487,87.996 ; 78.027,83.297 78.027,85.71 ; 86.409,66.533 88.822,66.533 ; 86.409,69.073 88.822,69.073 ; 88.822,63.993 86.409,63.993 86.409,71.613 88.822,71.613 ; 78.027,85.71 67.867,85.71 67.867,88.123 78.027,88.123 78.027,85.71
  text "3V3" at 68.121,86.599 h0.76
  text "TX" at 70.915,86.599 h0.76
  text "RX" at 73.582,86.599 h0.76
  text "GND" at 75.741,86.599 h0.76
  text "GND" at 58.723,84.821 h0.76
  text "3V3" at 61.263,84.821 h0.76
  text "GND" at 10.082,84.694 h0.76
  text "P22" at 12.749,84.694 h0.76
  text "CC2530底板" at 1.065,82.662 h0.76
  text "RES" at 58.723,82.281 h0.76
  text "3V3" at 61.263,82.281 h0.76
  text "P21" at 10.082,82.027 h0.76
  text "P20" at 12.749,82.027 h0.76
  text "P00" at 58.723,79.741 h0.76
  text "P01" at 61.263,79.741 h0.76
  text "P17" at 10.082,79.614 h0.76
  text "P16" at 12.749,79.614 h0.76
  text "EN" at 1.065,77.582 h0.61
  text "P02" at 58.723,77.201 h0.76
  text "P03" at 61.263,77.201 h0.76
  text "P15" at 10.082,77.074 h0.76
  text "P14" at 12.749,77.074 h0.76
  text "龙芯配套工业无线物联网节点" at 65.581,76.439 h2.54
  text "GND" at 1.065,75.55 h0.61
  text "P04" at 58.723,74.661 h0.76
  text "P05" at 61.263,74.661 h0.76
  text "P13" at 10.082,74.534 h0.76
  text "P12" at 12.749,74.534 h0.76
  text "P13" at 1.065,73.518 h0.61
  text "P11" at 10.082,72.121 h0.76
  text "P10" at 12.749,72.121 h0.76
  text "P06" at 58.723,72.121 h0.76
  text "P07" at 61.263,72.121 h0.76
  text "P12" at 1.065,71.613 h0.61
  text "GND" at 86.663,69.962 h0.76
  text "3V3" at 1.065,69.581 h0.61
  text "P07" at 86.663,67.422 h0.76
  text "3V3" at 86.536,64.755 h0.76
  text "充电判断（与S1同上下）" at 74.344,53.071 h0.91 r90
  text "BAT" at 60.755,47.991 h0.76
  text "SLO" at 51.484,47.864 h0.76
  text "供电" at 60.628,45.451 h1.52
  text "充电" at 51.357,45.197 h1.52
  text "USB" at 60.755,42.911 h0.76
  text "USB" at 51.484,42.53 h0.76
Mechanical 1:
  lines w0.254: 93.267,88.885 0.049,88.885 0.049,0.112 93.394,0.112 93.394,88.885

## Text inside footprints (layer, text, board x,y; h text height)
J10: Top Overlay "-" at 87.095,23.252 h0.76; Top Overlay "+" at 4.951,22.922 h0.76